# Altium PCB JTAG批量下载板-V1.6-ASCII.PcbDoc (part 3 of 14) (continued)
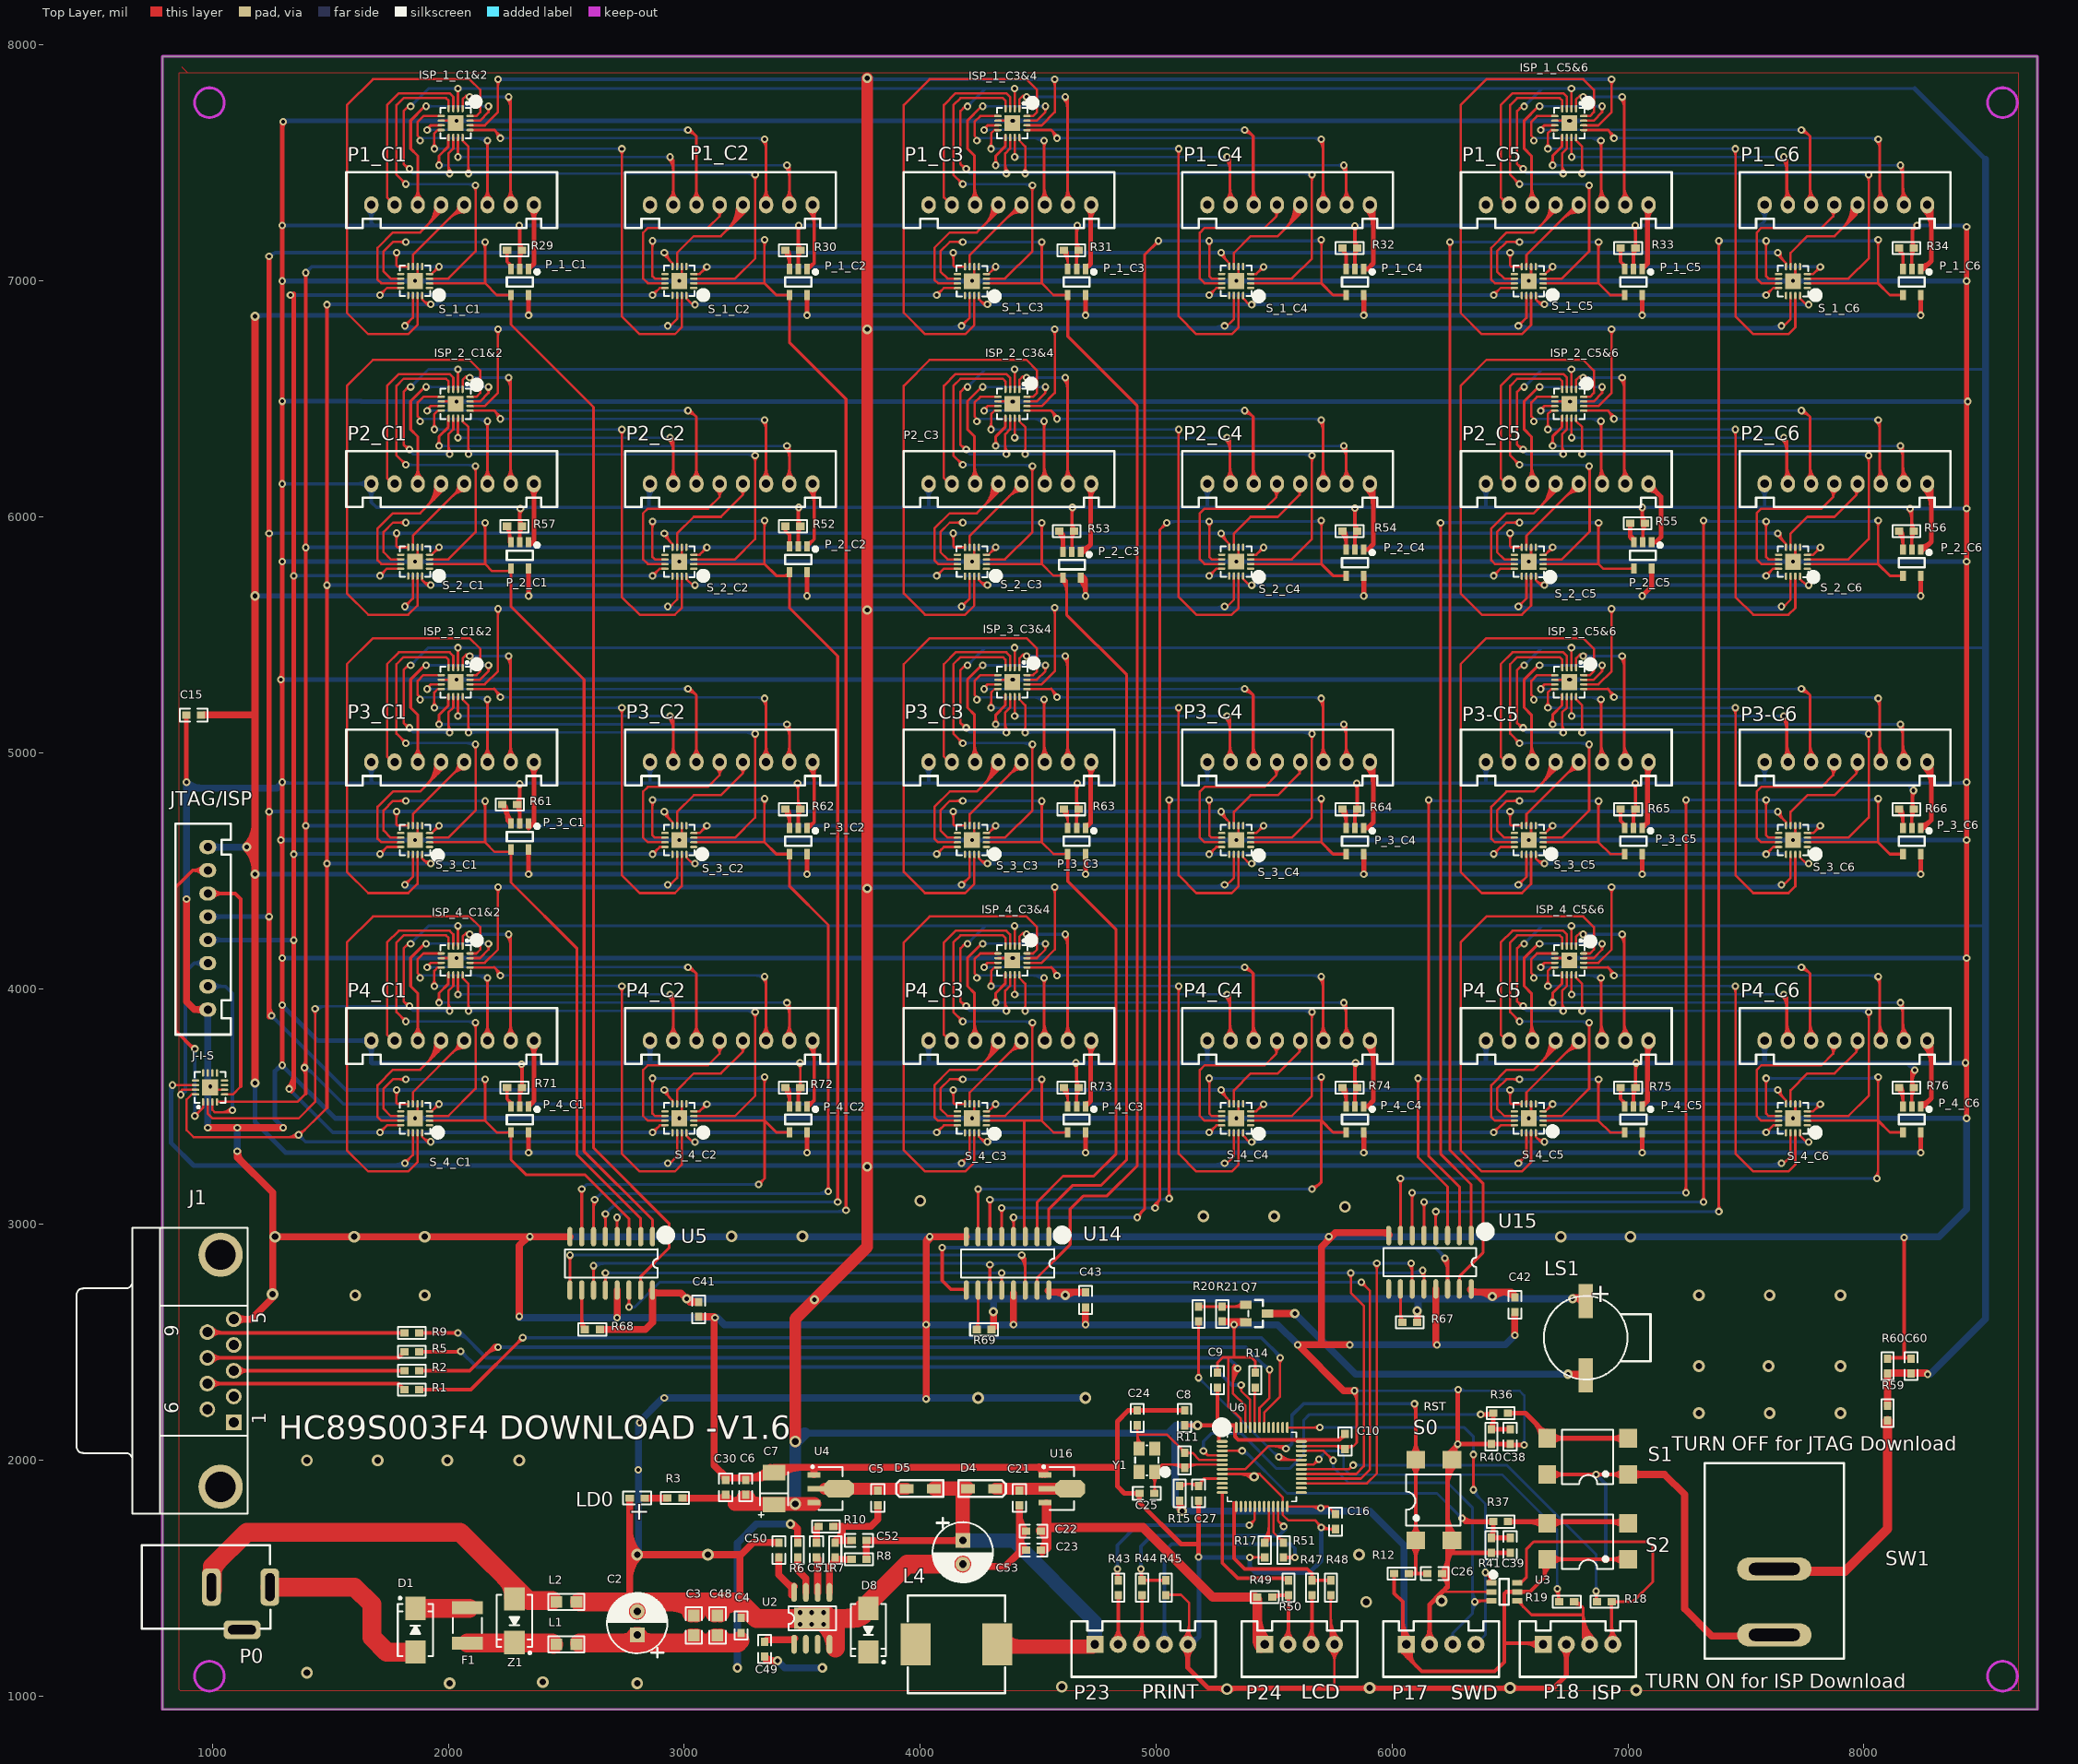
[diagram p0: Top Layer view]
## Nets (pads, with @x,y where several pads share a name; then routed paths per layer and width w, separated by ;. In a path a pad name is that pad's centre, name@x,y a point inside that pad or via, vN(x,y) a via of type N, cw(c..) or ccw(c..) an arc to the next point about the centre after c; other vN are vias at no path point) (continued)
EN_2_C2: P_2_C2.4 S_2_C2.2 S_2_C2.10 U5.5 | length 6334.4
  Top Layer w10: v1(2865,5980) 2865,5830 2875.08,5819.92 S_2_C2.10@2917.95,5819.92 ; S_2_C2.2@3040,5800.24 3340,5800.24 v1(3340,5985) ; v1@3332.22,5977.22 cw(c3313.44,5958.44) 3340,5958.44 cw(c3366.56,5958.44) v1@3347.78,5977.22 ; 2865,5953.44 cw(c2891.56,5953.44) 2872.78,5972.22 ccw(c2891.56,5953.44) 2865,5953.44 ; 2865,5953.44 ccw(c2838.44,5953.44) 2857.22,5972.22 cw(c2838.44,5953.44) 2865,5953.44
  Top Layer w12: U5.5@2665,2945 v1(2665,3045) ; 3340,5800.24 3340,5800 3389.69,5750.31 P_2_C2.4@3445.2,5750.31 ; P_2_C2.4@3445.2,5769.76 3445.2,5614.8 3650,5410 v1(3650,3095) ; v1@2657.93,3037.93 cw(c2640.86,3020.86) 2665,3020.86 ; v1@2657.93,3037.93 cw(c2640.86,3020.86) 2665,3020.86 ; v1@2657.93,3037.93 cw(c2640.86,3020.86) 2665,3020.86 ; v1@2657.93,3037.93 cw(c2640.86,3020.86) 2665,3020.86 ; v1@2657.93,3037.93 cw(c2640.86,3020.86) 2665,3020.86 ; U5.5@2661.59,2982.11 ccw(c2653.35,2990.35) 2665,2990.35 ; U5.5@2661.59,2982.11 ccw(c2653.35,2990.35) 2665,2990.35 ; U5.5@2661.59,2982.11 ccw(c2653.35,2990.35) 2665,2990.35 ; U5.5@2661.59,2982.11 ccw(c2653.35,2990.35) 2665,2990.35 ; U5.5@2661.59,2982.11 ccw(c2653.35,2990.35) 2665,2990.35 ; 2665,2990.35 ccw(c2676.65,2990.35) U5.5@2668.41,2982.11 ; 2665,2990.35 ccw(c2676.65,2990.35) U5.5@2668.41,2982.11 ; 2665,2990.35 ccw(c2676.65,2990.35) U5.5@2668.41,2982.11 ; 2665,2990.35 ccw(c2676.65,2990.35) U5.5@2668.41,2982.11 ; 2665,2990.35 ccw(c2676.65,2990.35) U5.5@2668.41,2982.11 ; 2665,3020.86 cw(c2689.14,3020.86) v1@2672.07,3037.93 ; 2665,3020.86 cw(c2689.14,3020.86) v1@2672.07,3037.93 ; 2665,3020.86 cw(c2689.14,3020.86) v1@2672.07,3037.93 ; 2665,3020.86 cw(c2689.14,3020.86) v1@2672.07,3037.93 ; 2665,3020.86 cw(c2689.14,3020.86) v1@2672.07,3037.93 ; 3445.2,5740.89 cw(c3459.23,5740.89) 3449.31,5750.81 ccw(c3459.23,5740.89) 3445.2,5740.89 ; 3445.2,5740.89 ccw(c3431.17,5740.89) 3441.09,5750.81 cw(c3431.17,5740.89) 3445.2,5740.89 ; v1@3642.93,3102.07 ccw(c3625.86,3119.14) 3650,3119.14 ; v1@3642.93,3102.07 ccw(c3625.86,3119.14) 3650,3119.14 ; v1@3642.93,3102.07 ccw(c3625.86,3119.14) 3650,3119.14 ; v1@3642.93,3102.07 ccw(c3625.86,3119.14) 3650,3119.14 ; v1@3642.93,3102.07 ccw(c3625.86,3119.14) 3650,3119.14 ; 3650,3119.14 ccw(c3674.14,3119.14) v1@3657.07,3102.07 ; 3650,3119.14 ccw(c3674.14,3119.14) v1@3657.07,3102.07 ; 3650,3119.14 ccw(c3674.14,3119.14) v1@3657.07,3102.07 ; 3650,3119.14 ccw(c3674.14,3119.14) v1@3657.07,3102.07 ; 3650,3119.14 ccw(c3674.14,3119.14) v1@3657.07,3102.07 ; 3420.05,5750.31 ccw(c3420.05,5780.07) 3441.09,5759.03 cw(c3420.05,5780.07) 3420.05,5750.31
  Bottom Layer w12: v1(2665,3045) 2715,3095 v1(3650,3095) ; v1(2865,5980) 3335,5980 v1(3340,5985) ; 3303.79,5980 ccw(c3303.79,6021.21) v1@3332.93,5992.07 ; v1@2665,3055 ccw(c2665,3079.14) 2682.07,3062.07 ; v1@2665,3055 ccw(c2665,3079.14) 2682.07,3062.07 ; v1@2665,3055 ccw(c2665,3079.14) 2682.07,3062.07 ; v1@2665,3055 ccw(c2665,3079.14) 2682.07,3062.07 ; v1@2665,3055 ccw(c2665,3079.14) 2682.07,3062.07 ; v1@2675,3045 cw(c2699.14,3045) 2682.07,3062.07 ; v1@2675,3045 cw(c2699.14,3045) 2682.07,3062.07 ; v1@2675,3045 cw(c2699.14,3045) 2682.07,3062.07 ; v1@2675,3045 cw(c2699.14,3045) 2682.07,3062.07 ; v1@2675,3045 cw(c2699.14,3045) 2682.07,3062.07 ; 2889.14,5980 cw(c2889.14,6004.14) 2872.07,5987.07 ccw(c2889.14,6004.14) 2889.14,5980 ; 2889.14,5980 ccw(c2889.14,5955.86) 2872.07,5972.93 cw(c2889.14,5955.86) 2889.14,5980 ; 3625.86,3095 cw(c3625.86,3070.86) v1@3642.93,3087.93 ; 3625.86,3095 ccw(c3625.86,3119.14) v1@3642.93,3102.07 ; 3625.86,3095 cw(c3625.86,3070.86) v1@3642.93,3087.93 ; 3625.86,3095 ccw(c3625.86,3119.14) v1@3642.93,3102.07 ; 3625.86,3095 cw(c3625.86,3070.86) v1@3642.93,3087.93 ; 3625.86,3095 ccw(c3625.86,3119.14) v1@3642.93,3102.07 ; 3625.86,3095 cw(c3625.86,3070.86) v1@3642.93,3087.93 ; 3625.86,3095 ccw(c3625.86,3119.14) v1@3642.93,3102.07 ; 3625.86,3095 cw(c3625.86,3070.86) v1@3642.93,3087.93 ; 3625.86,3095 ccw(c3625.86,3119.14) v1@3642.93,3102.07
EN_2_C3: P_2_C3.4 S_2_C3.2 S_2_C3.10 U14.1 | length 4801.4
  Top Layer w10: S_2_C3.10@4157.95,5819.92 4115.63,5819.92 4085,5850.55 4085,5935.55 4125,5975.55 v1(4180,5975.55) ; S_2_C3.2@4280,5800.24 4514.76,5800.24 4564.69,5750.31 P_2_C3.4@4600,5750.31 ; 4153.44,5975.55 cw(c4153.44,5948.99) 4172.22,5967.77 ccw(c4153.44,5948.99) 4153.44,5975.55 ; 4153.44,5975.55 ccw(c4153.44,6002.11) 4172.22,5983.33 cw(c4153.44,6002.11) 4153.44,5975.55 ; 4585.71,5750.31 ccw(c4585.71,5771.06) 4600.38,5756.39 cw(c4585.71,5771.06) 4585.71,5750.31 ; 4591.8,5750.31 cw(c4591.8,5738.17) 4600.38,5746.76 ccw(c4591.8,5738.17) 4591.8,5750.31
  Top Layer w12: 4515,5800.47 v1(4515,5975) ; U14.1@4545,2935 4545,3065 4645,3165 4765,3165 4875,3275 4875,5330 4620,5585 4620,5730.31 P_2_C3.4@4600,5750.31 ; P_2_C3.4@4601.09,5727.78 cw(c4555.43,5682.12) 4620,5682.12 ; P_2_C3.4@4609.57,5736.27 cw(c4584.4,5711.09) 4620,5711.09 ; 4515,5950.86 cw(c4539.14,5950.86) 4522.07,5967.93 ccw(c4539.14,5950.86) 4515,5950.86 ; 4515,5950.86 ccw(c4490.86,5950.86) 4507.93,5967.93 cw(c4490.86,5950.86) 4515,5950.86 ; U14.1@4541.59,2982.11 ccw(c4533.35,2990.35) 4545,2990.35 ; U14.1@4541.59,2982.11 ccw(c4533.35,2990.35) 4545,2990.35 ; U14.1@4541.59,2982.11 ccw(c4533.35,2990.35) 4545,2990.35 ; U14.1@4541.59,2982.11 ccw(c4533.35,2990.35) 4545,2990.35 ; U14.1@4541.59,2982.11 ccw(c4533.35,2990.35) 4545,2990.35 ; 4545,2990.35 ccw(c4556.65,2990.35) U14.1@4548.41,2982.11 ; 4545,2990.35 ccw(c4556.65,2990.35) U14.1@4548.41,2982.11 ; 4545,2990.35 ccw(c4556.65,2990.35) U14.1@4548.41,2982.11 ; 4545,2990.35 ccw(c4556.65,2990.35) U14.1@4548.41,2982.11 ; 4545,2990.35 ccw(c4556.65,2990.35) U14.1@4548.41,2982.11
  Bottom Layer w12: v1(4180,5975.55) v1@4515,5975.55 ; 4204.14,5975.55 cw(c4204.14,5999.69) 4187.07,5982.62 ccw(c4204.14,5999.69) 4204.14,5975.55 ; 4204.14,5975.55 ccw(c4204.14,5951.41) 4187.07,5968.48 cw(c4204.14,5951.41) 4204.14,5975.55 ; 4489.53,5975.55 cw(c4489.53,5949.53) 4507.93,5967.93 ccw(c4489.53,5949.53) 4489.53,5975.55 ; 4492.19,5975.55 ccw(c4492.19,5997.81) 4507.93,5982.07 cw(c4492.19,5997.81) 4492.19,5975.55
EN_2_C4: P_2_C4.4 S_2_C4.2 S_2_C4.10 U14.5 | length 6258
  Top Layer w10: v1(5225,5980) 5225,5830 5235.08,5819.92 S_2_C4.10@5277.95,5819.87 ; S_2_C4.2@5400,5800.19 5700,5800.24 v1(5700,5985) ; v1@5692.22,5977.22 cw(c5673.44,5958.44) 5700,5958.44 cw(c5726.56,5958.44) v1@5707.78,5977.22 ; 5225,5953.44 cw(c5251.56,5953.44) 5232.78,5972.22 ccw(c5251.56,5953.44) 5225,5953.44 ; 5225,5953.44 ccw(c5198.44,5953.44) 5217.22,5972.22 cw(c5198.44,5953.44) 5225,5953.44
  Top Layer w12: U14.5@4345,2948.19 v1(4345,3070) ; v1@4993.04,3069.62 cw(c5014.28,3073.69) 4998.99,3088.99 ; v1(4995,3070) 4995,3085 5015,3105 ; v1@5004.82,3071.88 cw(c5041.16,3078.84) 5015,3105 ; v1@5040,5970 5015,5945 5015,3105 ; 5700,5800.24 5700,5800 5749.69,5750.31 P_2_C4.4@5805.2,5750.31 ; v1@4337.93,3062.93 cw(c4320.86,3045.86) 4345,3045.86 ; v1@4337.93,3062.93 cw(c4320.86,3045.86) 4345,3045.86 ; v1@4337.93,3062.93 cw(c4320.86,3045.86) 4345,3045.86 ; v1@4337.93,3062.93 cw(c4320.86,3045.86) 4345,3045.86 ; v1@4337.93,3062.93 cw(c4320.86,3045.86) 4345,3045.86 ; U14.5@4341.59,2982.11 ccw(c4333.35,2990.35) 4345,2990.35 ; U14.5@4341.59,2982.11 ccw(c4333.35,2990.35) 4345,2990.35 ; U14.5@4341.59,2982.11 ccw(c4333.35,2990.35) 4345,2990.35 ; U14.5@4341.59,2982.11 ccw(c4333.35,2990.35) 4345,2990.35 ; U14.5@4341.59,2982.11 ccw(c4333.35,2990.35) 4345,2990.35 ; 4345,2990.35 ccw(c4356.65,2990.35) U14.5@4348.41,2982.11 ; 4345,2990.35 ccw(c4356.65,2990.35) U14.5@4348.41,2982.11 ; 4345,2990.35 ccw(c4356.65,2990.35) U14.5@4348.41,2982.11 ; 4345,2990.35 ccw(c4356.65,2990.35) U14.5@4348.41,2982.11 ; 4345,2990.35 ccw(c4356.65,2990.35) U14.5@4348.41,2982.11 ; 4345,3045.86 cw(c4369.14,3045.86) v1@4352.07,3062.93 ; 4345,3045.86 cw(c4369.14,3045.86) v1@4352.07,3062.93 ; 4345,3045.86 cw(c4369.14,3045.86) v1@4352.07,3062.93 ; 4345,3045.86 cw(c4369.14,3045.86) v1@4352.07,3062.93 ; 4345,3045.86 cw(c4369.14,3045.86) v1@4352.07,3062.93 ; 5027.93,5957.93 cw(c5045,5940.86) 5045,5965 ccw(c5045,5940.86) 5027.93,5957.93 ; 5027.93,5957.93 ccw(c5010.86,5975) 5035,5975 cw(c5010.86,5975) 5027.93,5957.93 ; 5791.17,5750.31 cw(c5791.17,5736.29) 5801.09,5746.21 ccw(c5791.17,5736.29) 5791.17,5750.31 ; 5791.17,5750.31 ccw(c5791.17,5764.34) 5801.09,5754.42 cw(c5791.17,5764.34) 5791.17,5750.31
  Bottom Layer w12: v1(4345,3070) v1(4995,3070) ; v1@5050,5980 5695,5980 v1(5700,5985) ; 5663.79,5980 ccw(c5663.79,6021.21) v1@5692.93,5992.07 ; v1@4352.07,3062.93 cw(c4369.14,3045.86) 4369.14,3070 ; v1@4352.07,3062.93 cw(c4369.14,3045.86) 4369.14,3070 ; v1@4352.07,3062.93 cw(c4369.14,3045.86) 4369.14,3070 ; v1@4352.07,3062.93 cw(c4369.14,3045.86) 4369.14,3070 ; v1@4352.07,3062.93 cw(c4369.14,3045.86) 4369.14,3070 ; v1@4352.07,3077.07 ccw(c4369.14,3094.14) 4369.14,3070 ; v1@4352.07,3077.07 ccw(c4369.14,3094.14) 4369.14,3070 ; v1@4352.07,3077.07 ccw(c4369.14,3094.14) 4369.14,3070 ; v1@4352.07,3077.07 ccw(c4369.14,3094.14) 4369.14,3070 ; v1@4352.07,3077.07 ccw(c4369.14,3094.14) 4369.14,3070 ; 4970.86,3070 cw(c4970.86,3045.86) 4987.93,3062.93 ccw(c4970.86,3045.86) 4970.86,3070 ; 4970.86,3070 ccw(c4970.86,3094.14) 4987.93,3077.07 cw(c4970.86,3094.14) 4970.86,3070 ; 5200.86,5980 cw(c5200.86,5955.86) 5217.93,5972.93 ccw(c5200.86,5955.86) 5200.86,5980 ; 5200.86,5980 ccw(c5200.86,6004.14) 5217.93,5987.07 cw(c5200.86,6004.14) 5200.86,5980 ; 5249.14,5980 cw(c5249.14,6004.14) 5232.07,5987.07 ccw(c5249.14,6004.14) 5249.14,5980 ; 5249.14,5980 ccw(c5249.14,5955.86) 5232.07,5972.93 cw(c5249.14,5955.86) 5249.14,5980 ; v1@5052.07,5967.93 cw(c5081.21,5938.79) 5081.21,5980 ccw(c5081.21,5938.79) v1@5052.07,5967.93
  other v1: 5045,5975
EN_2_C5: P_2_C5.4 S_2_C5.2 S_2_C5.10 U15.1 | length 5285.3
  Top Layer w10: S_2_C5.10@6517.95,5819.92 6475.63,5819.92 6445,5850.55 6445,5935.55 6485,5975.55 v1(6540,5975.55) ; S_2_C5.2@6640,5800.24 6874.76,5800.24 6895,5780 P_2_C5.4@7025.2,5780 ; 6513.44,5975.55 cw(c6513.44,5948.99) 6532.22,5967.77 ccw(c6513.44,5948.99) 6513.44,5975.55 ; 6513.44,5975.55 ccw(c6513.44,6002.11) 6532.22,5983.33 cw(c6513.44,6002.11) 6513.44,5975.55 ; 7004.57,5780 ccw(c7004.57,5802.36) 7020.38,5786.55 cw(c7004.57,5802.36) 7004.57,5780 ; 7012.94,5780 cw(c7012.94,5769.47) 7020.38,5776.92 ccw(c7012.94,5769.47) 7012.94,5780
  Top Layer w12: v1(6205,5975) 6205,3300 6335,3170 U15.1@6335,2945 ; 6875,5800.47 v1(6875,5975) ; 6205,5950.86 cw(c6229.14,5950.86) 6212.07,5967.93 ccw(c6229.14,5950.86) 6205,5950.86 ; 6205,5950.86 ccw(c6180.86,5950.86) 6197.93,5967.93 cw(c6180.86,5950.86) 6205,5950.86 ; U15.1@6331.59,2987.11 ccw(c6323.35,2995.35) 6335,2995.35 ; U15.1@6331.59,2987.11 ccw(c6323.35,2995.35) 6335,2995.35 ; U15.1@6331.59,2987.11 ccw(c6323.35,2995.35) 6335,2995.35 ; U15.1@6331.59,2987.11 ccw(c6323.35,2995.35) 6335,2995.35 ; U15.1@6331.59,2987.11 ccw(c6323.35,2995.35) 6335,2995.35 ; 6335,2995.35 ccw(c6346.65,2995.35) U15.1@6338.41,2987.11 ; 6335,2995.35 ccw(c6346.65,2995.35) U15.1@6338.41,2987.11 ; 6335,2995.35 ccw(c6346.65,2995.35) U15.1@6338.41,2987.11 ; 6335,2995.35 ccw(c6346.65,2995.35) U15.1@6338.41,2987.11 ; 6335,2995.35 ccw(c6346.65,2995.35) U15.1@6338.41,2987.11 ; 6875,5950.86 cw(c6899.14,5950.86) 6882.07,5967.93 ccw(c6899.14,5950.86) 6875,5950.86 ; 6875,5950.86 ccw(c6850.86,5950.86) 6867.93,5967.93 cw(c6850.86,5950.86) 6875,5950.86
  Bottom Layer w12: v1@6205.55,5975.55 v1@6875,5975.55 ; 6515.86,5975.55 cw(c6515.86,5951.41) 6532.93,5968.48 ccw(c6515.86,5951.41) 6515.86,5975.55 ; 6515.86,5975.55 ccw(c6515.86,5999.69) 6532.93,5982.62 cw(c6515.86,5999.69) 6515.86,5975.55 ; 6564.14,5975.55 cw(c6564.14,5999.69) 6547.07,5982.62 ccw(c6564.14,5999.69) 6564.14,5975.55 ; 6564.14,5975.55 ccw(c6564.14,5951.41) 6547.07,5968.48 cw(c6564.14,5951.41) 6564.14,5975.55 ; v1@6212.07,5967.93 cw(c6230.47,5949.53) 6230.47,5975.55 ccw(c6230.47,5949.53) v1@6212.07,5967.93 ; v1@6212.07,5982.07 ccw(c6227.81,5997.81) 6227.81,5975.55 cw(c6227.81,5997.81) v1@6212.07,5982.07 ; 6849.53,5975.55 cw(c6849.53,5949.53) 6867.93,5967.93 ccw(c6849.53,5949.53) 6849.53,5975.55 ; 6852.19,5975.55 ccw(c6852.19,5997.81) 6867.93,5982.07 cw(c6852.19,5997.81) 6852.19,5975.55
EN_2_C6: P_2_C6.4 S_2_C6.2 S_2_C6.10 U15.5 | length 6855.7
  Top Layer w10: v1(7585,5980) 7585,5830 7595.08,5819.92 S_2_C6.10@7637.95,5819.92 ; S_2_C6.2@7760,5800.24 8060,5800.24 v1(8060,5985) ; v1@8052.22,5977.22 cw(c8033.44,5958.44) 8060,5958.44 cw(c8086.56,5958.44) v1@8067.78,5977.22 ; 7585,5953.44 cw(c7611.56,5953.44) 7592.78,5972.22 ccw(c7611.56,5953.44) 7585,5953.44 ; 7585,5953.44 ccw(c7558.44,5953.44) 7577.22,5972.22 cw(c7558.44,5953.44) 7585,5953.44
  Top Layer w12: U15.5@6135,2953.19 v1(6135,3095) ; v1(7320,3095) v1(7320,5985) ; 8060,5800.24 8060,5800 8109.69,5750.31 P_2_C6.4@8165.2,5750.31 ; v1@6127.93,3087.93 cw(c6110.86,3070.86) 6135,3070.86 ; v1@6127.93,3087.93 cw(c6110.86,3070.86) 6135,3070.86 ; v1@6127.93,3087.93 cw(c6110.86,3070.86) 6135,3070.86 ; v1@6127.93,3087.93 cw(c6110.86,3070.86) 6135,3070.86 ; v1@6127.93,3087.93 cw(c6110.86,3070.86) 6135,3070.86 ; U15.5@6131.59,2987.11 ccw(c6123.35,2995.35) 6135,2995.35 ; U15.5@6131.59,2987.11 ccw(c6123.35,2995.35) 6135,2995.35 ; U15.5@6131.59,2987.11 ccw(c6123.35,2995.35) 6135,2995.35 ; U15.5@6131.59,2987.11 ccw(c6123.35,2995.35) 6135,2995.35 ; U15.5@6131.59,2987.11 ccw(c6123.35,2995.35) 6135,2995.35 ; 6135,2995.35 ccw(c6146.65,2995.35) U15.5@6138.41,2987.11 ; 6135,2995.35 ccw(c6146.65,2995.35) U15.5@6138.41,2987.11 ; 6135,2995.35 ccw(c6146.65,2995.35) U15.5@6138.41,2987.11 ; 6135,2995.35 ccw(c6146.65,2995.35) U15.5@6138.41,2987.11 ; 6135,2995.35 ccw(c6146.65,2995.35) U15.5@6138.41,2987.11 ; 6135,3070.86 cw(c6159.14,3070.86) v1@6142.07,3087.93 ; 6135,3070.86 cw(c6159.14,3070.86) v1@6142.07,3087.93 ; 6135,3070.86 cw(c6159.14,3070.86) v1@6142.07,3087.93 ; 6135,3070.86 cw(c6159.14,3070.86) v1@6142.07,3087.93 ; 6135,3070.86 cw(c6159.14,3070.86) v1@6142.07,3087.93 ; 7320,3119.14 cw(c7295.86,3119.14) 7312.93,3102.07 ccw(c7295.86,3119.14) 7320,3119.14 ; 7320,3119.14 ccw(c7344.14,3119.14) 7327.07,3102.07 cw(c7344.14,3119.14) 7320,3119.14 ; 7320,5960.86 cw(c7344.14,5960.86) 7327.07,5977.93 ccw(c7344.14,5960.86) 7320,5960.86 ; 7320,5960.86 ccw(c7295.86,5960.86) 7312.93,5977.93 cw(c7295.86,5960.86) 7320,5960.86 ; 8151.17,5750.31 cw(c8151.17,5736.29) 8161.09,5746.21 ccw(c8151.17,5736.29) 8151.17,5750.31 ; 8151.17,5750.31 ccw(c8151.17,5764.34) 8161.09,5754.42 cw(c8151.17,5764.34) 8151.17,5750.31
  Bottom Layer w12: v1(6135,3095) v1(7320,3095) ; v1@7325,5980 8055,5980 v1(8060,5985) ; v1@7327.07,5992.07 ccw(c7356.21,6021.21) 7356.21,5980 ; 8023.79,5980 ccw(c8023.79,6021.21) v1@8052.93,5992.07 ; v1@6142.07,3087.93 cw(c6159.14,3070.86) 6159.14,3095 ; v1@6142.07,3087.93 cw(c6159.14,3070.86) 6159.14,3095 ; v1@6142.07,3087.93 cw(c6159.14,3070.86) 6159.14,3095 ; v1@6142.07,3087.93 cw(c6159.14,3070.86) 6159.14,3095 ; v1@6142.07,3087.93 cw(c6159.14,3070.86) 6159.14,3095 ; v1@6142.07,3102.07 ccw(c6159.14,3119.14) 6159.14,3095 ; v1@6142.07,3102.07 ccw(c6159.14,3119.14) 6159.14,3095 ; v1@6142.07,3102.07 ccw(c6159.14,3119.14) 6159.14,3095 ; v1@6142.07,3102.07 ccw(c6159.14,3119.14) 6159.14,3095 ; v1@6142.07,3102.07 ccw(c6159.14,3119.14) 6159.14,3095 ; 7295.86,3095 cw(c7295.86,3070.86) 7312.93,3087.93 ccw(c7295.86,3070.86) 7295.86,3095 ; 7295.86,3095 ccw(c7295.86,3119.14) 7312.93,3102.07 cw(c7295.86,3119.14) 7295.86,3095 ; 7560.86,5980 cw(c7560.86,5955.86) 7577.93,5972.93 ccw(c7560.86,5955.86) 7560.86,5980 ; 7560.86,5980 ccw(c7560.86,6004.14) 7577.93,5987.07 cw(c7560.86,6004.14) 7560.86,5980 ; 7609.14,5980 cw(c7609.14,6004.14) 7592.07,5987.07 ccw(c7609.14,6004.14) 7609.14,5980 ; 7609.14,5980 ccw(c7609.14,5955.86) 7592.07,5972.93 cw(c7609.14,5955.86) 7609.14,5980
EN_3_C1: P_3_C1.4 S_3_C1.2 S_3_C1.10 U5.2 | length 3525.9
  Top Layer w10: S_3_C1.10@1797.95,4639.87 1755.63,4639.92 1725,4670.55 1725,4755.55 1765,4795.55 v1(1820,4795.55) ; S_3_C1.2@1920,4620.19 2154.76,4620.24 2195,4580 P_3_C1.4@2270,4580 ; 1793.44,4795.55 cw(c1793.44,4768.99) 1812.22,4787.77 ccw(c1793.44,4768.99) 1793.44,4795.55 ; 1793.44,4795.55 ccw(c1793.44,4822.11) 1812.22,4803.33 cw(c1793.44,4822.11) 1793.44,4795.55 ; 2248.56,4580 cw(c2248.56,4563.29) 2260.38,4575.11 ccw(c2248.56,4563.29) 2248.56,4580 ; 2248.94,4580 ccw(c2248.94,4596.17) 2260.38,4584.74 cw(c2248.94,4596.17) 2248.94,4580
  Top Layer w12: 2155,4620.47 v1(2155,4795) ; P_3_C1.4@2265.2,4589.76 2265.2,4449.8 2545,4170 2545,3295 2815,3025 U5.2@2815,2948.19 ; 2155,4770.86 cw(c2179.14,4770.86) 2162.07,4787.93 ccw(c2179.14,4770.86) 2155,4770.86 ; 2155,4770.86 ccw(c2130.86,4770.86) 2147.93,4787.93 cw(c2130.86,4770.86) 2155,4770.86 ; 2265.2,4565.89 cw(c2279.23,4565.89) 2269.31,4575.81 ccw(c2279.23,4565.89) 2265.2,4565.89 ; 2265.2,4565.89 ccw(c2251.17,4565.89) 2261.09,4575.81 cw(c2251.17,4565.89) 2265.2,4565.89 ; U5.2@2811.59,2982.11 ccw(c2803.35,2990.35) 2815,2990.35 ; U5.2@2811.59,2982.11 ccw(c2803.35,2990.35) 2815,2990.35 ; U5.2@2811.59,2982.11 ccw(c2803.35,2990.35) 2815,2990.35 ; U5.2@2811.59,2982.11 ccw(c2803.35,2990.35) 2815,2990.35 ; U5.2@2811.59,2982.11 ccw(c2803.35,2990.35) 2815,2990.35 ; 2815,2990.35 ccw(c2826.65,2990.35) U5.2@2818.41,2982.11 ; 2815,2990.35 ccw(c2826.65,2990.35) U5.2@2818.41,2982.11 ; 2815,2990.35 ccw(c2826.65,2990.35) U5.2@2818.41,2982.11 ; 2815,2990.35 ccw(c2826.65,2990.35) U5.2@2818.41,2982.11 ; 2815,2990.35 ccw(c2826.65,2990.35) U5.2@2818.41,2982.11
  Bottom Layer w12: v1(1820,4795.55) v1@2155,4795.55 ; 1844.14,4795.55 cw(c1844.14,4819.69) 1827.07,4802.62 ccw(c1844.14,4819.69) 1844.14,4795.55 ; 1844.14,4795.55 ccw(c1844.14,4771.41) 1827.07,4788.48 cw(c1844.14,4771.41) 1844.14,4795.55 ; 2129.53,4795.55 cw(c2129.53,4769.53) 2147.93,4787.93 ccw(c2129.53,4769.53) 2129.53,4795.55 ; 2132.19,4795.55 ccw(c2132.19,4817.81) 2147.93,4802.07 cw(c2132.19,4817.81) 2132.19,4795.55
EN_3_C2: P_3_C2.4 S_3_C2.2 S_3_C2.10 U5.6 | length 5082.4
  Top Layer w10: v1(2865,4800) 2865,4650 2875.08,4639.92 S_3_C2.10@2917.95,4639.87 ; S_3_C2.2@3040,4620.19 3340,4620.24 v1(3340,4805) ; v1@3332.22,4797.22 cw(c3313.44,4778.44) 3340,4778.44 cw(c3366.56,4778.44) v1@3347.78,4797.22 ; 2865,4773.44 cw(c2891.56,4773.44) 2872.78,4792.22 ccw(c2891.56,4773.44) 2865,4773.44 ; 2865,4773.44 ccw(c2838.44,4773.44) 2857.22,4792.22 cw(c2838.44,4773.44) 2865,4773.44
  Top Layer w12: U5.6@2615,2945 v1@2615,3100 ; 3340,4620.24 3340,4620 3389.69,4570.31 P_3_C2.4@3445.2,4570.31 3445.2,4434.8 3610,4270 3610,3164.14 ; U5.6@2611.59,2982.11 ccw(c2603.35,2990.35) 2615,2990.35 ; U5.6@2611.59,2982.11 ccw(c2603.35,2990.35) 2615,2990.35 ; U5.6@2611.59,2982.11 ccw(c2603.35,2990.35) 2615,2990.35 ; U5.6@2611.59,2982.11 ccw(c2603.35,2990.35) 2615,2990.35 ; U5.6@2611.59,2982.11 ccw(c2603.35,2990.35) 2615,2990.35 ; 2615,2990.35 ccw(c2626.65,2990.35) U5.6@2618.41,2982.11 ; 2615,2990.35 ccw(c2626.65,2990.35) U5.6@2618.41,2982.11 ; 2615,2990.35 ccw(c2626.65,2990.35) U5.6@2618.41,2982.11 ; 2615,2990.35 ccw(c2626.65,2990.35) U5.6@2618.41,2982.11 ; 2615,2990.35 ccw(c2626.65,2990.35) U5.6@2618.41,2982.11 ; 2615,3068.79 cw(c2656.21,3068.79) v1@2627.07,3097.93 ; 2615,3068.79 cw(c2656.21,3068.79) v1@2627.07,3097.93 ; 2615,3068.79 cw(c2656.21,3068.79) v1@2627.07,3097.93 ; 2615,3068.79 cw(c2656.21,3068.79) v1@2627.07,3097.93 ; 2615,3068.79 cw(c2656.21,3068.79) v1@2627.07,3097.93 ; 3431.17,4570.31 cw(c3431.17,4556.29) 3441.09,4566.21 ccw(c3431.17,4556.29) 3431.17,4570.31 ; 3431.17,4570.31 ccw(c3431.17,4584.34) 3441.09,4574.42 cw(c3431.17,4584.34) 3431.17,4570.31 ; 3445.2,4546.44 cw(c3459.23,4546.44) 3449.31,4556.36 ccw(c3459.23,4546.44) 3445.2,4546.44 ; 3445.2,4546.44 ccw(c3431.17,4546.44) 3441.09,4556.36 cw(c3431.17,4546.44) 3445.2,4546.44 ; v1@3602.93,3147.07 ccw(c3585.86,3164.14) 3610,3164.14 ; v1@3602.93,3147.07 ccw(c3585.86,3164.14) 3610,3164.14 ; v1@3602.93,3147.07 ccw(c3585.86,3164.14) 3610,3164.14 ; 3610,3164.14 ccw(c3634.14,3164.14) v1@3617.07,3147.07 ; 3610,3164.14 ccw(c3634.14,3164.14) v1@3617.07,3147.07 ; 3610,3164.14 ccw(c3634.14,3164.14) v1@3617.07,3147.07
  Bottom Layer w12: v1(2620,3105) 2645,3130 3600,3130 v1(3610,3140) ; v1(2865,4800) 3335,4800 v1(3340,4805) ; 3303.79,4800 ccw(c3303.79,4841.21) v1@3332.93,4812.07 ; v1@2620,3115 ccw(c2620,3139.14) 2637.07,3122.07 ; v1@2620,3115 ccw(c2620,3139.14) 2637.07,3122.07 ; v1@2620,3115 ccw(c2620,3139.14) 2637.07,3122.07 ; v1@2620,3115 ccw(c2620,3139.14) 2637.07,3122.07 ; v1@2620,3115 ccw(c2620,3139.14) 2637.07,3122.07 ; v1@2630,3105 cw(c2654.14,3105) 2637.07,3122.07 ; v1@2630,3105 cw(c2654.14,3105) 2637.07,3122.07 ; v1@2630,3105 cw(c2654.14,3105) 2637.07,3122.07 ; v1@2630,3105 cw(c2654.14,3105) 2637.07,3122.07 ; v1@2630,3105 cw(c2654.14,3105) 2637.07,3122.07 ; 2889.14,4800 cw(c2889.14,4824.14) 2872.07,4807.07 ccw(c2889.14,4824.14) 2889.14,4800 ; 2889.14,4800 ccw(c2889.14,4775.86) 2872.07,4792.93 cw(c2889.14,4775.86) 2889.14,4800 ; 3561.72,3130 ccw(c3561.72,3188.28) v1@3602.93,3147.07 ; 3561.72,3130 ccw(c3561.72,3188.28) v1@3602.93,3147.07 ; 3561.72,3130 ccw(c3561.72,3188.28) v1@3602.93,3147.07 ; 3561.72,3130 ccw(c3561.72,3188.28) v1@3602.93,3147.07 ; 3590.69,3130 ccw(c3590.69,3159.31) v1@3611.41,3138.59 ; 3590.69,3130 ccw(c3590.69,3159.31) v1@3611.41,3138.59 ; 3590.69,3130 ccw(c3590.69,3159.31) v1@3611.41,3138.59 ; 3590.69,3130 ccw(c3590.69,3159.31) v1@3611.41,3138.59
EN_3_C3: P_3_C3.4 S_3_C3.2 S_3_C3.10 U14.2 | length 3590.9
  Top Layer w10: S_3_C3.10@4157.95,4639.87 4115.63,4639.92 4085,4670.55 4085,4755.55 4125,4795.55 v1(4180,4795.55) ; S_3_C3.2@4280,4620.19 4514.76,4620.24 4564.69,4570.31 P_3_C3.4@4625.2,4570.31 ; 4153.44,4795.55 cw(c4153.44,4768.99) 4172.22,4787.77 ccw(c4153.44,4768.99) 4153.44,4795.55 ; 4153.44,4795.55 ccw(c4153.44,4822.11) 4172.22,4803.33 cw(c4153.44,4822.11) 4153.44,4795.55 ; 4608.75,4570.31 cw(c4608.75,4553.87) 4620.38,4565.5 ccw(c4608.75,4553.87) 4608.75,4570.31 ; 4608.75,4570.31 ccw(c4608.75,4586.76) 4620.38,4575.13 cw(c4608.75,4586.76) 4608.75,4570.31
  Top Layer w12: U14.2@4495,2935 4495,3095 4605,3205 4735,3205 4830,3300 4830,4250 4625.2,4454.8 P_3_C3.4@4625.2,4570.31 ; 4515,4620.47 v1(4515,4795) ; U14.2@4491.59,2982.11 ccw(c4483.35,2990.35) 4495,2990.35 ; U14.2@4491.59,2982.11 ccw(c4483.35,2990.35) 4495,2990.35 ; U14.2@4491.59,2982.11 ccw(c4483.35,2990.35) 4495,2990.35 ; U14.2@4491.59,2982.11 ccw(c4483.35,2990.35) 4495,2990.35 ; U14.2@4491.59,2982.11 ccw(c4483.35,2990.35) 4495,2990.35 ; 4495,2990.35 ccw(c4506.65,2990.35) U14.2@4498.41,2982.11 ; 4495,2990.35 ccw(c4506.65,2990.35) U14.2@4498.41,2982.11 ; 4495,2990.35 ccw(c4506.65,2990.35) U14.2@4498.41,2982.11 ; 4495,2990.35 ccw(c4506.65,2990.35) U14.2@4498.41,2982.11 ; 4495,2990.35 ccw(c4506.65,2990.35) U14.2@4498.41,2982.11 ; 4515,4770.86 cw(c4539.14,4770.86) 4522.07,4787.93 ccw(c4539.14,4770.86) 4515,4770.86 ; 4515,4770.86 ccw(c4490.86,4770.86) 4507.93,4787.93 cw(c4490.86,4770.86) 4515,4770.86 ; 4625.2,4546.44 cw(c4639.23,4546.44) 4629.31,4556.36 ccw(c4639.23,4546.44) 4625.2,4546.44 ; 4625.2,4546.44 ccw(c4611.17,4546.44) 4621.09,4556.36 cw(c4611.17,4546.44) 4625.2,4546.44
  Bottom Layer w12: v1(4180,4795.55) v1@4515,4795.55 ; 4204.14,4795.55 cw(c4204.14,4819.69) 4187.07,4802.62 ccw(c4204.14,4819.69) 4204.14,4795.55 ; 4204.14,4795.55 ccw(c4204.14,4771.41) 4187.07,4788.48 cw(c4204.14,4771.41) 4204.14,4795.55 ; 4489.53,4795.55 cw(c4489.53,4769.53) 4507.93,4787.93 ccw(c4489.53,4769.53) 4489.53,4795.55 ; 4492.19,4795.55 ccw(c4492.19,4817.81) 4507.93,4802.07 cw(c4492.19,4817.81) 4492.19,4795.55
EN_3_C4: P_3_C4.4 S_3_C4.2 S_3_C4.10 U14.6 | length 5188.1
  Top Layer w10: v1(5225,4800) 5225,4650 5235.08,4639.92 S_3_C4.10@5277.95,4639.87 ; S_3_C4.2@5400,4620.19 5700,4620.24 v1(5700,4805) ; v1@5692.22,4797.22 cw(c5673.44,4778.44) 5700,4778.44 cw(c5726.56,4778.44) v1@5707.78,4797.22 ; 5225,4773.44 cw(c5251.56,4773.44) 5232.78,4792.22 ccw(c5251.56,4773.44) 5225,4773.44 ; 5225,4773.44 ccw(c5198.44,4773.44) 5217.22,4792.22 cw(c5198.44,4773.44) 5225,4773.44
  Top Layer w12: U14.6@4295,2948.19 v1(4295,3105) ; v1(5055,3110) v1(5055,4800) ; 5700,4620.24 5700,4620 5749.69,4570.31 P_3_C4.4@5805.2,4570.31 ; v1@4287.93,3097.93 cw(c4270.86,3080.86) 4295,3080.86 ; v1@4287.93,3097.93 cw(c4270.86,3080.86) 4295,3080.86 ; v1@4287.93,3097.93 cw(c4270.86,3080.86) 4295,3080.86 ; v1@4287.93,3097.93 cw(c4270.86,3080.86) 4295,3080.86 ; v1@4287.93,3097.93 cw(c4270.86,3080.86) 4295,3080.86 ; U14.6@4291.59,2982.11 ccw(c4283.35,2990.35) 4295,2990.35 ; U14.6@4291.59,2982.11 ccw(c4283.35,2990.35) 4295,2990.35 ; U14.6@4291.59,2982.11 ccw(c4283.35,2990.35) 4295,2990.35 ; U14.6@4291.59,2982.11 ccw(c4283.35,2990.35) 4295,2990.35 ; U14.6@4291.59,2982.11 ccw(c4283.35,2990.35) 4295,2990.35 ; 4295,2990.35 ccw(c4306.65,2990.35) U14.6@4298.41,2982.11 ; 4295,2990.35 ccw(c4306.65,2990.35) U14.6@4298.41,2982.11 ; 4295,2990.35 ccw(c4306.65,2990.35) U14.6@4298.41,2982.11 ; 4295,2990.35 ccw(c4306.65,2990.35) U14.6@4298.41,2982.11 ; 4295,2990.35 ccw(c4306.65,2990.35) U14.6@4298.41,2982.11 ; 4295,3080.86 cw(c4319.14,3080.86) v1@4302.07,3097.93 ; 4295,3080.86 cw(c4319.14,3080.86) v1@4302.07,3097.93 ; 4295,3080.86 cw(c4319.14,3080.86) v1@4302.07,3097.93 ; 4295,3080.86 cw(c4319.14,3080.86) v1@4302.07,3097.93 ; 4295,3080.86 cw(c4319.14,3080.86) v1@4302.07,3097.93 ; 5055,3134.14 cw(c5030.86,3134.14) 5047.93,3117.07 ccw(c5030.86,3134.14) 5055,3134.14 ; 5055,3134.14 ccw(c5079.14,3134.14) 5062.07,3117.07 cw(c5079.14,3134.14) 5055,3134.14 ; 5055,4775.86 cw(c5079.14,4775.86) 5062.07,4792.93 ccw(c5079.14,4775.86) 5055,4775.86 ; 5055,4775.86 ccw(c5030.86,4775.86) 5047.93,4792.93 cw(c5030.86,4775.86) 5055,4775.86 ; 5791.17,4570.31 cw(c5791.17,4556.29) 5801.09,4566.21 ccw(c5791.17,4556.29) 5791.17,4570.31 ; 5791.17,4570.31 ccw(c5791.17,4584.34) 5801.09,4574.42 cw(c5791.17,4584.34) 5791.17,4570.31
  Bottom Layer w12: v1(4295,3105) v1@5055,3105 ; v1(5055,4800) 5695,4800 v1(5700,4805) ; 5663.79,4800 ccw(c5663.79,4841.21) v1@5692.93,4812.07 ; v1@4302.07,3097.93 cw(c4319.14,3080.86) 4319.14,3105 ; v1@4302.07,3097.93 cw(c4319.14,3080.86) 4319.14,3105 ; v1@4302.07,3097.93 cw(c4319.14,3080.86) 4319.14,3105 ; v1@4302.07,3097.93 cw(c4319.14,3080.86) 4319.14,3105 ; v1@4302.07,3097.93 cw(c4319.14,3080.86) 4319.14,3105 ; v1@4302.07,3112.07 ccw(c4319.14,3129.14) 4319.14,3105 ; v1@4302.07,3112.07 ccw(c4319.14,3129.14) 4319.14,3105 ; v1@4302.07,3112.07 ccw(c4319.14,3129.14) 4319.14,3105 ; v1@4302.07,3112.07 ccw(c4319.14,3129.14) 4319.14,3105 ; v1@4302.07,3112.07 ccw(c4319.14,3129.14) 4319.14,3105 ; 5079.14,4800 cw(c5079.14,4824.14) 5062.07,4807.07 ccw(c5079.14,4824.14) 5079.14,4800 ; 5079.14,4800 ccw(c5079.14,4775.86) 5062.07,4792.93 cw(c5079.14,4775.86) 5079.14,4800 ; 5200.86,4800 cw(c5200.86,4775.86) 5217.93,4792.93 ccw(c5200.86,4775.86) 5200.86,4800 ; 5200.86,4800 ccw(c5200.86,4824.14) 5217.93,4807.07 cw(c5200.86,4824.14) 5200.86,4800 ; 5249.14,4800 cw(c5249.14,4824.14) 5232.07,4807.07 ccw(c5249.14,4824.14) 5249.14,4800 ; 5249.14,4800 ccw(c5249.14,4775.86) 5232.07,4792.93 cw(c5249.14,4775.86) 5249.14,4800 ; 5018.79,3105 ccw(c5018.79,3146.21) 5047.93,3117.07 cw(c5018.79,3146.21) 5018.79,3105